# EAGLE board working (EAGLE 9.6.2), part 4 of 28
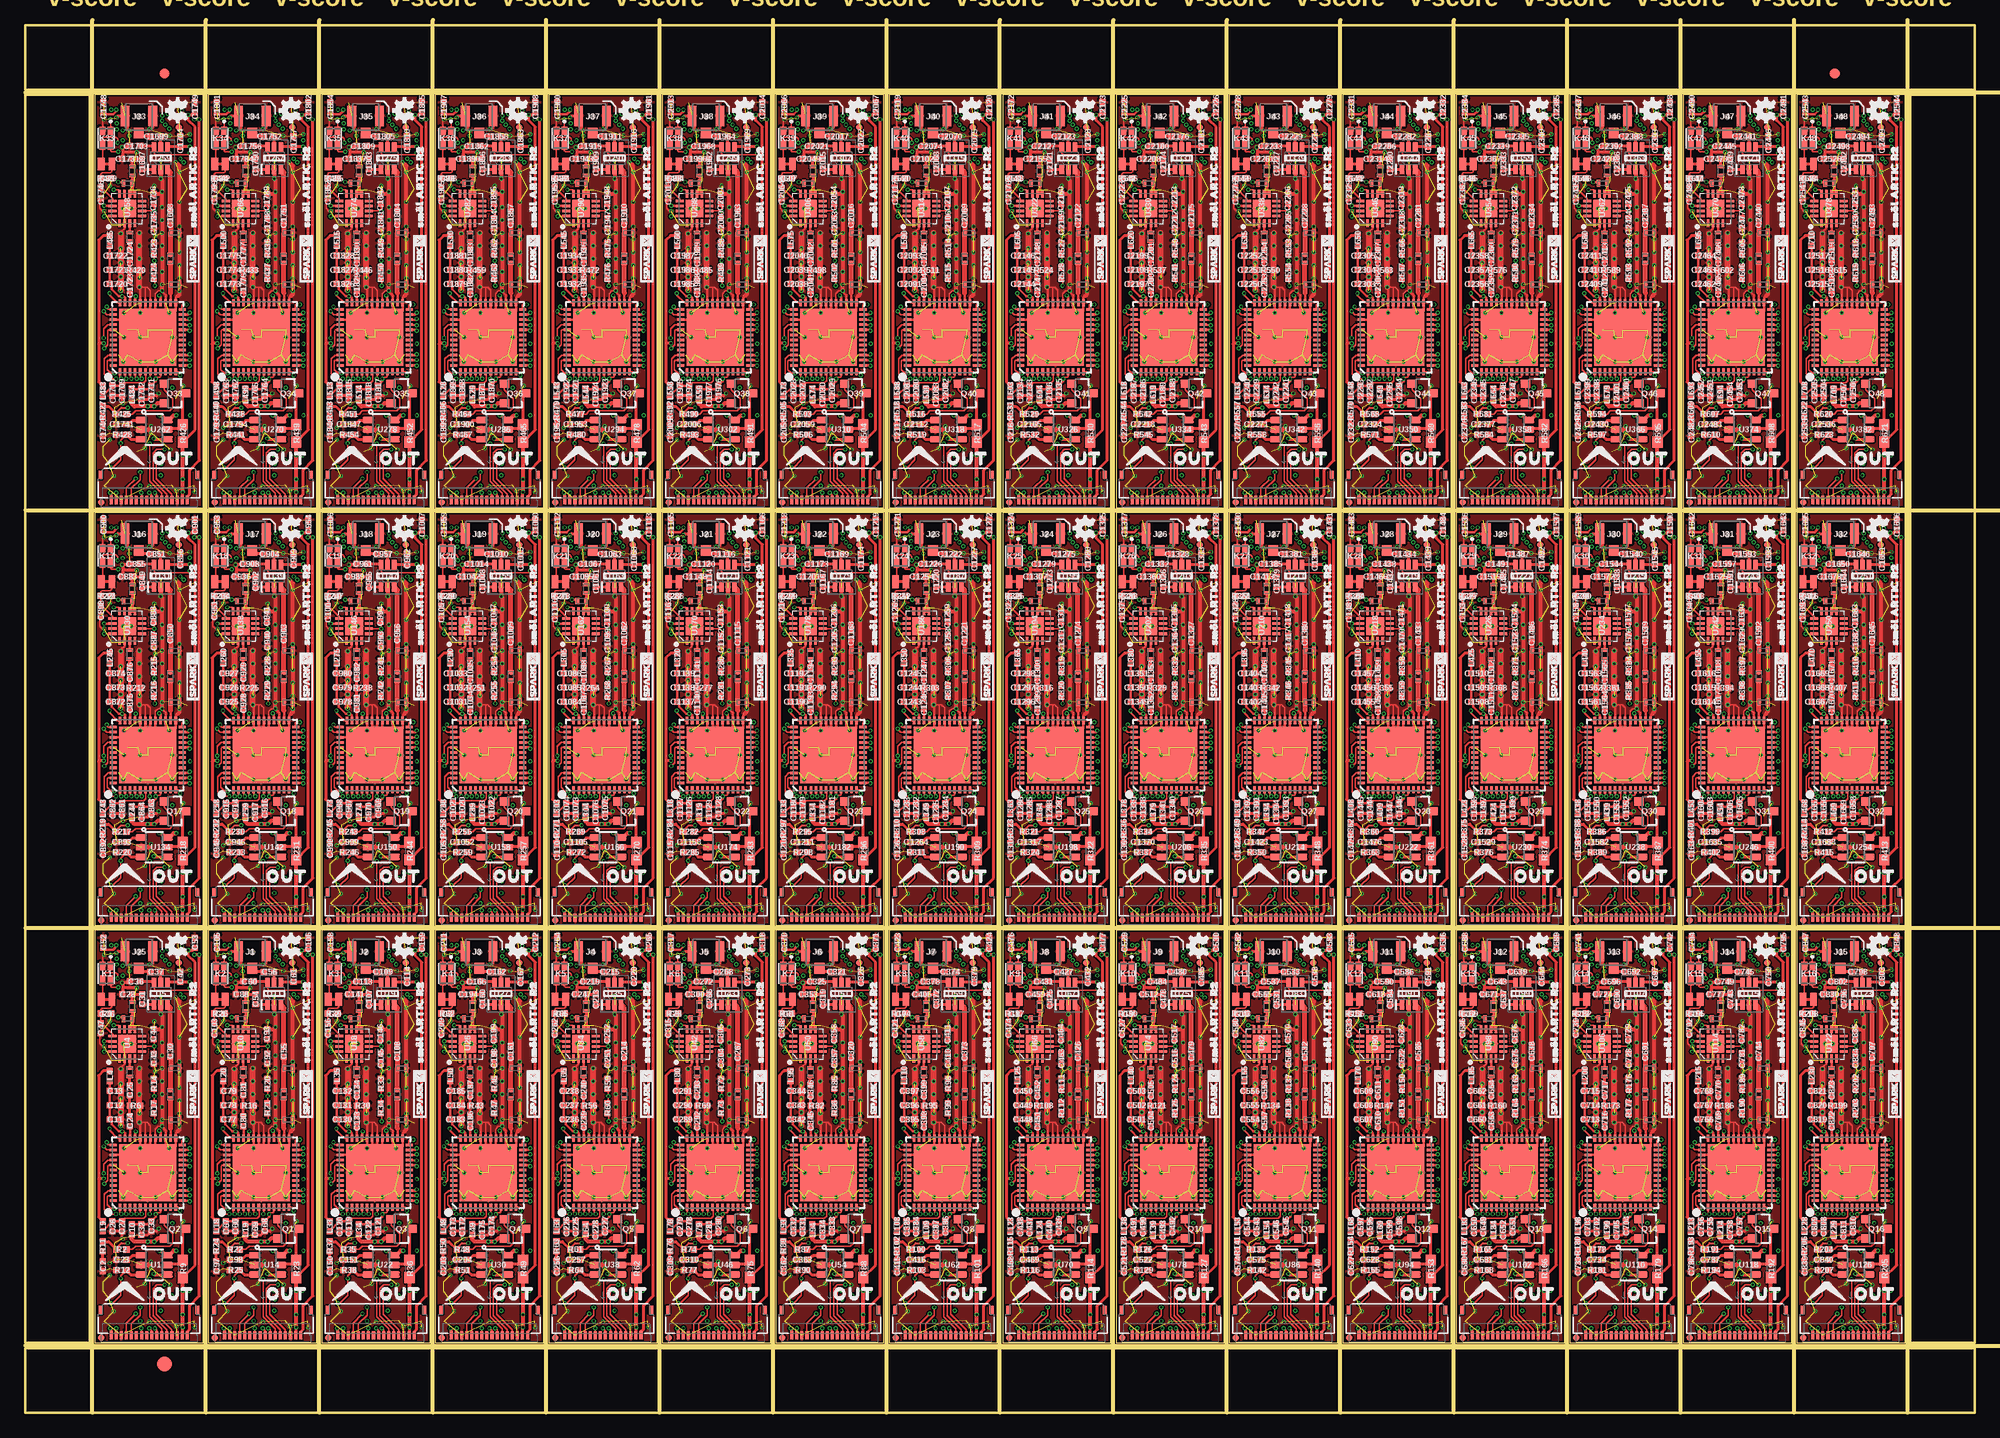
[diagram p0: board, top side]
## Placement (x,y rotation side) (continued)
FLSH_CEN20  TEST-POINT3  [PAD.03X.03]  61.59,65.79 0 bottom
FLSH_CEN21  TEST-POINT3  [PAD.03X.03]  72.77,65.79 0 bottom
FLSH_CEN22  TEST-POINT3  [PAD.03X.03]  83.95,65.79 0 bottom
FLSH_CEN23  TEST-POINT3  [PAD.03X.03]  95.12,65.79 0 bottom
FLSH_CEN24  TEST-POINT3  [PAD.03X.03]  106.3,65.79 0 bottom
FLSH_CEN25  TEST-POINT3  [PAD.03X.03]  117.48,65.79 0 bottom
FLSH_CEN26  TEST-POINT3  [PAD.03X.03]  128.65,65.79 0 bottom
FLSH_CEN27  TEST-POINT3  [PAD.03X.03]  139.83,65.79 0 bottom
FLSH_CEN28  TEST-POINT3  [PAD.03X.03]  151,65.79 0 bottom
FLSH_CEN29  TEST-POINT3  [PAD.03X.03]  162.18,65.79 0 bottom
FLSH_CEN30  TEST-POINT3  [PAD.03X.03]  173.36,65.79 0 bottom
FLSH_CEN31  TEST-POINT3  [PAD.03X.03]  184.53,65.79 0 bottom
FLSH_CEN32  TEST-POINT3  [PAD.03X.03]  16.89,106.93 0 bottom
FLSH_CEN33  TEST-POINT3  [PAD.03X.03]  28.07,106.93 0 bottom
FLSH_CEN34  TEST-POINT3  [PAD.03X.03]  39.24,106.93 0 bottom
FLSH_CEN35  TEST-POINT3  [PAD.03X.03]  50.42,106.93 0 bottom
FLSH_CEN36  TEST-POINT3  [PAD.03X.03]  61.59,106.93 0 bottom
FLSH_CEN37  TEST-POINT3  [PAD.03X.03]  72.77,106.93 0 bottom
FLSH_CEN38  TEST-POINT3  [PAD.03X.03]  83.95,106.93 0 bottom
FLSH_CEN39  TEST-POINT3  [PAD.03X.03]  95.12,106.93 0 bottom
FLSH_CEN40  TEST-POINT3  [PAD.03X.03]  106.3,106.93 0 bottom
FLSH_CEN41  TEST-POINT3  [PAD.03X.03]  117.48,106.93 0 bottom
FLSH_CEN42  TEST-POINT3  [PAD.03X.03]  128.65,106.93 0 bottom
FLSH_CEN43  TEST-POINT3  [PAD.03X.03]  139.83,106.93 0 bottom
FLSH_CEN44  TEST-POINT3  [PAD.03X.03]  151,106.93 0 bottom
FLSH_CEN45  TEST-POINT3  [PAD.03X.03]  162.18,106.93 0 bottom
FLSH_CEN46  TEST-POINT3  [PAD.03X.03]  173.36,106.93 0 bottom
FLSH_CEN47  TEST-POINT3  [PAD.03X.03]  184.53,106.93 0 bottom
FLSH_SCLK  TEST-POINT3  [PAD.03X.03]  16.89,11.94 0 bottom
FLSH_SCLK1  TEST-POINT3  [PAD.03X.03]  28.07,11.94 0 bottom
FLSH_SCLK2  TEST-POINT3  [PAD.03X.03]  39.24,11.94 0 bottom
FLSH_SCLK3  TEST-POINT3  [PAD.03X.03]  50.42,11.94 0 bottom
FLSH_SCLK4  TEST-POINT3  [PAD.03X.03]  61.59,11.94 0 bottom
FLSH_SCLK5  TEST-POINT3  [PAD.03X.03]  72.77,11.94 0 bottom
FLSH_SCLK6  TEST-POINT3  [PAD.03X.03]  83.95,11.94 0 bottom
FLSH_SCLK7  TEST-POINT3  [PAD.03X.03]  95.12,11.94 0 bottom
FLSH_SCLK8  TEST-POINT3  [PAD.03X.03]  106.3,11.94 0 bottom
FLSH_SCLK9  TEST-POINT3  [PAD.03X.03]  117.48,11.94 0 bottom
FLSH_SCLK10  TEST-POINT3  [PAD.03X.03]  128.65,11.94 0 bottom
FLSH_SCLK11  TEST-POINT3  [PAD.03X.03]  139.83,11.94 0 bottom
FLSH_SCLK12  TEST-POINT3  [PAD.03X.03]  151,11.94 0 bottom
FLSH_SCLK13  TEST-POINT3  [PAD.03X.03]  162.18,11.94 0 bottom
FLSH_SCLK14  TEST-POINT3  [PAD.03X.03]  173.36,11.94 0 bottom
FLSH_SCLK15  TEST-POINT3  [PAD.03X.03]  184.53,11.94 0 bottom
FLSH_SCLK16  TEST-POINT3  [PAD.03X.03]  16.89,53.09 0 bottom
FLSH_SCLK17  TEST-POINT3  [PAD.03X.03]  28.07,53.09 0 bottom
FLSH_SCLK18  TEST-POINT3  [PAD.03X.03]  39.24,53.09 0 bottom
FLSH_SCLK19  TEST-POINT3  [PAD.03X.03]  50.42,53.09 0 bottom
FLSH_SCLK20  TEST-POINT3  [PAD.03X.03]  61.59,53.09 0 bottom
FLSH_SCLK21  TEST-POINT3  [PAD.03X.03]  72.77,53.09 0 bottom
FLSH_SCLK22  TEST-POINT3  [PAD.03X.03]  83.95,53.09 0 bottom
FLSH_SCLK23  TEST-POINT3  [PAD.03X.03]  95.12,53.09 0 bottom
FLSH_SCLK24  TEST-POINT3  [PAD.03X.03]  106.3,53.09 0 bottom
FLSH_SCLK25  TEST-POINT3  [PAD.03X.03]  117.48,53.09 0 bottom
FLSH_SCLK26  TEST-POINT3  [PAD.03X.03]  128.65,53.09 0 bottom
FLSH_SCLK27  TEST-POINT3  [PAD.03X.03]  139.83,53.09 0 bottom
FLSH_SCLK28  TEST-POINT3  [PAD.03X.03]  151,53.09 0 bottom
FLSH_SCLK29  TEST-POINT3  [PAD.03X.03]  162.18,53.09 0 bottom
FLSH_SCLK30  TEST-POINT3  [PAD.03X.03]  173.36,53.09 0 bottom
FLSH_SCLK31  TEST-POINT3  [PAD.03X.03]  184.53,53.09 0 bottom
FLSH_SCLK32  TEST-POINT3  [PAD.03X.03]  16.89,94.23 0 bottom
FLSH_SCLK33  TEST-POINT3  [PAD.03X.03]  28.07,94.23 0 bottom
FLSH_SCLK34  TEST-POINT3  [PAD.03X.03]  39.24,94.23 0 bottom
FLSH_SCLK35  TEST-POINT3  [PAD.03X.03]  50.42,94.23 0 bottom
FLSH_SCLK36  TEST-POINT3  [PAD.03X.03]  61.59,94.23 0 bottom
FLSH_SCLK37  TEST-POINT3  [PAD.03X.03]  72.77,94.23 0 bottom
FLSH_SCLK38  TEST-POINT3  [PAD.03X.03]  83.95,94.23 0 bottom
FLSH_SCLK39  TEST-POINT3  [PAD.03X.03]  95.12,94.23 0 bottom
FLSH_SCLK40  TEST-POINT3  [PAD.03X.03]  106.3,94.23 0 bottom
FLSH_SCLK41  TEST-POINT3  [PAD.03X.03]  117.48,94.23 0 bottom
FLSH_SCLK42  TEST-POINT3  [PAD.03X.03]  128.65,94.23 0 bottom
FLSH_SCLK43  TEST-POINT3  [PAD.03X.03]  139.83,94.23 0 bottom
FLSH_SCLK44  TEST-POINT3  [PAD.03X.03]  151,94.23 0 bottom
FLSH_SCLK45  TEST-POINT3  [PAD.03X.03]  162.18,94.23 0 bottom
FLSH_SCLK46  TEST-POINT3  [PAD.03X.03]  173.36,94.23 0 bottom
FLSH_SCLK47  TEST-POINT3  [PAD.03X.03]  184.53,94.23 0 bottom
FLSH_SI  TEST-POINT3  [PAD.03X.03]  16.89,14.48 0 bottom
FLSH_SI1  TEST-POINT3  [PAD.03X.03]  28.07,14.48 0 bottom
FLSH_SI2  TEST-POINT3  [PAD.03X.03]  39.24,14.48 0 bottom
FLSH_SI3  TEST-POINT3  [PAD.03X.03]  50.42,14.48 0 bottom
FLSH_SI4  TEST-POINT3  [PAD.03X.03]  61.59,14.48 0 bottom
FLSH_SI5  TEST-POINT3  [PAD.03X.03]  72.77,14.48 0 bottom
FLSH_SI6  TEST-POINT3  [PAD.03X.03]  83.95,14.48 0 bottom
FLSH_SI7  TEST-POINT3  [PAD.03X.03]  95.12,14.48 0 bottom
FLSH_SI8  TEST-POINT3  [PAD.03X.03]  106.3,14.48 0 bottom
FLSH_SI9  TEST-POINT3  [PAD.03X.03]  117.48,14.48 0 bottom
FLSH_SI10  TEST-POINT3  [PAD.03X.03]  128.65,14.48 0 bottom
FLSH_SI11  TEST-POINT3  [PAD.03X.03]  139.83,14.48 0 bottom
FLSH_SI12  TEST-POINT3  [PAD.03X.03]  151,14.48 0 bottom
FLSH_SI13  TEST-POINT3  [PAD.03X.03]  162.18,14.48 0 bottom
FLSH_SI14  TEST-POINT3  [PAD.03X.03]  173.36,14.48 0 bottom
FLSH_SI15  TEST-POINT3  [PAD.03X.03]  184.53,14.48 0 bottom
FLSH_SI16  TEST-POINT3  [PAD.03X.03]  16.89,55.63 0 bottom
FLSH_SI17  TEST-POINT3  [PAD.03X.03]  28.07,55.63 0 bottom
FLSH_SI18  TEST-POINT3  [PAD.03X.03]  39.24,55.63 0 bottom
FLSH_SI19  TEST-POINT3  [PAD.03X.03]  50.42,55.63 0 bottom
FLSH_SI20  TEST-POINT3  [PAD.03X.03]  61.59,55.63 0 bottom
FLSH_SI21  TEST-POINT3  [PAD.03X.03]  72.77,55.63 0 bottom
FLSH_SI22  TEST-POINT3  [PAD.03X.03]  83.95,55.63 0 bottom
FLSH_SI23  TEST-POINT3  [PAD.03X.03]  95.12,55.63 0 bottom
FLSH_SI24  TEST-POINT3  [PAD.03X.03]  106.3,55.63 0 bottom
FLSH_SI25  TEST-POINT3  [PAD.03X.03]  117.48,55.63 0 bottom
FLSH_SI26  TEST-POINT3  [PAD.03X.03]  128.65,55.63 0 bottom
FLSH_SI27  TEST-POINT3  [PAD.03X.03]  139.83,55.63 0 bottom
FLSH_SI28  TEST-POINT3  [PAD.03X.03]  151,55.63 0 bottom
FLSH_SI29  TEST-POINT3  [PAD.03X.03]  162.18,55.63 0 bottom
FLSH_SI30  TEST-POINT3  [PAD.03X.03]  173.36,55.63 0 bottom
FLSH_SI31  TEST-POINT3  [PAD.03X.03]  184.53,55.63 0 bottom
FLSH_SI32  TEST-POINT3  [PAD.03X.03]  16.89,96.77 0 bottom
FLSH_SI33  TEST-POINT3  [PAD.03X.03]  28.07,96.77 0 bottom
FLSH_SI34  TEST-POINT3  [PAD.03X.03]  39.24,96.77 0 bottom
FLSH_SI35  TEST-POINT3  [PAD.03X.03]  50.42,96.77 0 bottom
FLSH_SI36  TEST-POINT3  [PAD.03X.03]  61.59,96.77 0 bottom
FLSH_SI37  TEST-POINT3  [PAD.03X.03]  72.77,96.77 0 bottom
FLSH_SI38  TEST-POINT3  [PAD.03X.03]  83.95,96.77 0 bottom
FLSH_SI39  TEST-POINT3  [PAD.03X.03]  95.12,96.77 0 bottom
FLSH_SI40  TEST-POINT3  [PAD.03X.03]  106.3,96.77 0 bottom
FLSH_SI41  TEST-POINT3  [PAD.03X.03]  117.48,96.77 0 bottom
FLSH_SI42  TEST-POINT3  [PAD.03X.03]  128.65,96.77 0 bottom
FLSH_SI43  TEST-POINT3  [PAD.03X.03]  139.83,96.77 0 bottom
FLSH_SI44  TEST-POINT3  [PAD.03X.03]  151,96.77 0 bottom
FLSH_SI45  TEST-POINT3  [PAD.03X.03]  162.18,96.77 0 bottom
FLSH_SI46  TEST-POINT3  [PAD.03X.03]  173.36,96.77 0 bottom
FLSH_SI47  TEST-POINT3  [PAD.03X.03]  184.53,96.77 0 bottom
FLSH_SO  TEST-POINT3  [PAD.03X.03]  16.89,17.02 0 bottom
FLSH_SO1  TEST-POINT3  [PAD.03X.03]  28.07,17.02 0 bottom
FLSH_SO2  TEST-POINT3  [PAD.03X.03]  39.24,17.02 0 bottom
FLSH_SO3  TEST-POINT3  [PAD.03X.03]  50.42,17.02 0 bottom
FLSH_SO4  TEST-POINT3  [PAD.03X.03]  61.59,17.02 0 bottom
FLSH_SO5  TEST-POINT3  [PAD.03X.03]  72.77,17.02 0 bottom
FLSH_SO6  TEST-POINT3  [PAD.03X.03]  83.95,17.02 0 bottom
FLSH_SO7  TEST-POINT3  [PAD.03X.03]  95.12,17.02 0 bottom
FLSH_SO8  TEST-POINT3  [PAD.03X.03]  106.3,17.02 0 bottom
FLSH_SO9  TEST-POINT3  [PAD.03X.03]  117.48,17.02 0 bottom
FLSH_SO10  TEST-POINT3  [PAD.03X.03]  128.65,17.02 0 bottom
FLSH_SO11  TEST-POINT3  [PAD.03X.03]  139.83,17.02 0 bottom
FLSH_SO12  TEST-POINT3  [PAD.03X.03]  151,17.02 0 bottom
FLSH_SO13  TEST-POINT3  [PAD.03X.03]  162.18,17.02 0 bottom
FLSH_SO14  TEST-POINT3  [PAD.03X.03]  173.36,17.02 0 bottom
FLSH_SO15  TEST-POINT3  [PAD.03X.03]  184.53,17.02 0 bottom
FLSH_SO16  TEST-POINT3  [PAD.03X.03]  16.89,58.17 0 bottom
FLSH_SO17  TEST-POINT3  [PAD.03X.03]  28.07,58.17 0 bottom
FLSH_SO18  TEST-POINT3  [PAD.03X.03]  39.24,58.17 0 bottom
FLSH_SO19  TEST-POINT3  [PAD.03X.03]  50.42,58.17 0 bottom
FLSH_SO20  TEST-POINT3  [PAD.03X.03]  61.59,58.17 0 bottom
FLSH_SO21  TEST-POINT3  [PAD.03X.03]  72.77,58.17 0 bottom
FLSH_SO22  TEST-POINT3  [PAD.03X.03]  83.95,58.17 0 bottom
FLSH_SO23  TEST-POINT3  [PAD.03X.03]  95.12,58.17 0 bottom
FLSH_SO24  TEST-POINT3  [PAD.03X.03]  106.3,58.17 0 bottom
FLSH_SO25  TEST-POINT3  [PAD.03X.03]  117.48,58.17 0 bottom
FLSH_SO26  TEST-POINT3  [PAD.03X.03]  128.65,58.17 0 bottom
FLSH_SO27  TEST-POINT3  [PAD.03X.03]  139.83,58.17 0 bottom
FLSH_SO28  TEST-POINT3  [PAD.03X.03]  151,58.17 0 bottom
FLSH_SO29  TEST-POINT3  [PAD.03X.03]  162.18,58.17 0 bottom
FLSH_SO30  TEST-POINT3  [PAD.03X.03]  173.36,58.17 0 bottom
FLSH_SO31  TEST-POINT3  [PAD.03X.03]  184.53,58.17 0 bottom
FLSH_SO32  TEST-POINT3  [PAD.03X.03]  16.89,99.31 0 bottom
FLSH_SO33  TEST-POINT3  [PAD.03X.03]  28.07,99.31 0 bottom
FLSH_SO34  TEST-POINT3  [PAD.03X.03]  39.24,99.31 0 bottom
FLSH_SO35  TEST-POINT3  [PAD.03X.03]  50.42,99.31 0 bottom
FLSH_SO36  TEST-POINT3  [PAD.03X.03]  61.59,99.31 0 bottom
FLSH_SO37  TEST-POINT3  [PAD.03X.03]  72.77,99.31 0 bottom
FLSH_SO38  TEST-POINT3  [PAD.03X.03]  83.95,99.31 0 bottom
FLSH_SO39  TEST-POINT3  [PAD.03X.03]  95.12,99.31 0 bottom
FLSH_SO40  TEST-POINT3  [PAD.03X.03]  106.3,99.31 0 bottom
FLSH_SO41  TEST-POINT3  [PAD.03X.03]  117.48,99.31 0 bottom
FLSH_SO42  TEST-POINT3  [PAD.03X.03]  128.65,99.31 0 bottom
FLSH_SO43  TEST-POINT3  [PAD.03X.03]  139.83,99.31 0 bottom
FLSH_SO44  TEST-POINT3  [PAD.03X.03]  151,99.31 0 bottom
FLSH_SO45  TEST-POINT3  [PAD.03X.03]  162.18,99.31 0 bottom
FLSH_SO46  TEST-POINT3  [PAD.03X.03]  173.36,99.31 0 bottom
FLSH_SO47  TEST-POINT3  [PAD.03X.03]  184.53,99.31 0 bottom
G1  JUMPER-SMT_2_NC_TRACE_NO-SILK  [SMT-JUMPER_2_NC_TRACE_NO-SILK]  19.18,40.7 180 top
G2  JUMPER-SMT_2_NC_TRACE_NO-SILK  [SMT-JUMPER_2_NC_TRACE_NO-SILK]  30.35,40.7 180 top
G3  JUMPER-SMT_2_NC_TRACE_NO-SILK  [SMT-JUMPER_2_NC_TRACE_NO-SILK]  41.53,40.7 180 top
G4  JUMPER-SMT_2_NC_TRACE_NO-SILK  [SMT-JUMPER_2_NC_TRACE_NO-SILK]  52.7,40.7 180 top
G5  JUMPER-SMT_2_NC_TRACE_NO-SILK  [SMT-JUMPER_2_NC_TRACE_NO-SILK]  63.88,40.7 180 top
G6  JUMPER-SMT_2_NC_TRACE_NO-SILK  [SMT-JUMPER_2_NC_TRACE_NO-SILK]  75.06,40.7 180 top
G7  JUMPER-SMT_2_NC_TRACE_NO-SILK  [SMT-JUMPER_2_NC_TRACE_NO-SILK]  86.23,40.7 180 top
G8  JUMPER-SMT_2_NC_TRACE_NO-SILK  [SMT-JUMPER_2_NC_TRACE_NO-SILK]  97.41,40.7 180 top
G9  JUMPER-SMT_2_NC_TRACE_NO-SILK  [SMT-JUMPER_2_NC_TRACE_NO-SILK]  108.59,40.7 180 top
G10  JUMPER-SMT_2_NC_TRACE_NO-SILK  [SMT-JUMPER_2_NC_TRACE_NO-SILK]  119.76,40.7 180 top
G11  JUMPER-SMT_2_NC_TRACE_NO-SILK  [SMT-JUMPER_2_NC_TRACE_NO-SILK]  130.94,40.7 180 top
G12  JUMPER-SMT_2_NC_TRACE_NO-SILK  [SMT-JUMPER_2_NC_TRACE_NO-SILK]  142.11,40.7 180 top
G13  JUMPER-SMT_2_NC_TRACE_NO-SILK  [SMT-JUMPER_2_NC_TRACE_NO-SILK]  153.29,40.7 180 top
G14  JUMPER-SMT_2_NC_TRACE_NO-SILK  [SMT-JUMPER_2_NC_TRACE_NO-SILK]  164.47,40.7 180 top
G15  JUMPER-SMT_2_NC_TRACE_NO-SILK  [SMT-JUMPER_2_NC_TRACE_NO-SILK]  175.64,40.7 180 top
G16  JUMPER-SMT_2_NC_TRACE_NO-SILK  [SMT-JUMPER_2_NC_TRACE_NO-SILK]  8,40.7 180 top
G17  JUMPER-SMT_2_NC_TRACE_NO-SILK  [SMT-JUMPER_2_NC_TRACE_NO-SILK]  8,81.85 180 top
G18  JUMPER-SMT_2_NC_TRACE_NO-SILK  [SMT-JUMPER_2_NC_TRACE_NO-SILK]  19.18,81.85 180 top
G19  JUMPER-SMT_2_NC_TRACE_NO-SILK  [SMT-JUMPER_2_NC_TRACE_NO-SILK]  30.35,81.85 180 top
G20  JUMPER-SMT_2_NC_TRACE_NO-SILK  [SMT-JUMPER_2_NC_TRACE_NO-SILK]  41.53,81.85 180 top
G21  JUMPER-SMT_2_NC_TRACE_NO-SILK  [SMT-JUMPER_2_NC_TRACE_NO-SILK]  52.7,81.85 180 top
G22  JUMPER-SMT_2_NC_TRACE_NO-SILK  [SMT-JUMPER_2_NC_TRACE_NO-SILK]  63.88,81.85 180 top
G23  JUMPER-SMT_2_NC_TRACE_NO-SILK  [SMT-JUMPER_2_NC_TRACE_NO-SILK]  75.06,81.85 180 top
G24  JUMPER-SMT_2_NC_TRACE_NO-SILK  [SMT-JUMPER_2_NC_TRACE_NO-SILK]  86.23,81.85 180 top
G25  JUMPER-SMT_2_NC_TRACE_NO-SILK  [SMT-JUMPER_2_NC_TRACE_NO-SILK]  97.41,81.85 180 top
G26  JUMPER-SMT_2_NC_TRACE_NO-SILK  [SMT-JUMPER_2_NC_TRACE_NO-SILK]  108.59,81.85 180 top
G27  JUMPER-SMT_2_NC_TRACE_NO-SILK  [SMT-JUMPER_2_NC_TRACE_NO-SILK]  119.76,81.85 180 top
G28  JUMPER-SMT_2_NC_TRACE_NO-SILK  [SMT-JUMPER_2_NC_TRACE_NO-SILK]  130.94,81.85 180 top
G29  JUMPER-SMT_2_NC_TRACE_NO-SILK  [SMT-JUMPER_2_NC_TRACE_NO-SILK]  142.11,81.85 180 top
G30  JUMPER-SMT_2_NC_TRACE_NO-SILK  [SMT-JUMPER_2_NC_TRACE_NO-SILK]  153.29,81.85 180 top
G31  JUMPER-SMT_2_NC_TRACE_NO-SILK  [SMT-JUMPER_2_NC_TRACE_NO-SILK]  164.47,81.85 180 top
G32  JUMPER-SMT_2_NC_TRACE_NO-SILK  [SMT-JUMPER_2_NC_TRACE_NO-SILK]  175.64,81.85 180 top
G33  JUMPER-SMT_2_NC_TRACE_NO-SILK  [SMT-JUMPER_2_NC_TRACE_NO-SILK]  8,123 180 top
G34  JUMPER-SMT_2_NC_TRACE_NO-SILK  [SMT-JUMPER_2_NC_TRACE_NO-SILK]  19.18,123 180 top
G35  JUMPER-SMT_2_NC_TRACE_NO-SILK  [SMT-JUMPER_2_NC_TRACE_NO-SILK]  30.35,123 180 top
G36  JUMPER-SMT_2_NC_TRACE_NO-SILK  [SMT-JUMPER_2_NC_TRACE_NO-SILK]  41.53,123 180 top
G37  JUMPER-SMT_2_NC_TRACE_NO-SILK  [SMT-JUMPER_2_NC_TRACE_NO-SILK]  52.7,123 180 top
G38  JUMPER-SMT_2_NC_TRACE_NO-SILK  [SMT-JUMPER_2_NC_TRACE_NO-SILK]  63.88,123 180 top
G39  JUMPER-SMT_2_NC_TRACE_NO-SILK  [SMT-JUMPER_2_NC_TRACE_NO-SILK]  75.06,123 180 top
G40  JUMPER-SMT_2_NC_TRACE_NO-SILK  [SMT-JUMPER_2_NC_TRACE_NO-SILK]  86.23,123 180 top
G41  JUMPER-SMT_2_NC_TRACE_NO-SILK  [SMT-JUMPER_2_NC_TRACE_NO-SILK]  97.41,123 180 top
G42  JUMPER-SMT_2_NC_TRACE_NO-SILK  [SMT-JUMPER_2_NC_TRACE_NO-SILK]  108.59,123 180 top
G43  JUMPER-SMT_2_NC_TRACE_NO-SILK  [SMT-JUMPER_2_NC_TRACE_NO-SILK]  119.76,123 180 top
G44  JUMPER-SMT_2_NC_TRACE_NO-SILK  [SMT-JUMPER_2_NC_TRACE_NO-SILK]  130.94,123 180 top
G45  JUMPER-SMT_2_NC_TRACE_NO-SILK  [SMT-JUMPER_2_NC_TRACE_NO-SILK]  142.11,123 180 top
G46  JUMPER-SMT_2_NC_TRACE_NO-SILK  [SMT-JUMPER_2_NC_TRACE_NO-SILK]  153.29,123 180 top
G47  JUMPER-SMT_2_NC_TRACE_NO-SILK  [SMT-JUMPER_2_NC_TRACE_NO-SILK]  164.47,123 180 top
G48  JUMPER-SMT_2_NC_TRACE_NO-SILK  [SMT-JUMPER_2_NC_TRACE_NO-SILK]  175.64,123 180 top
GPIO0  TEST-POINT3  [PAD.03X.03]  7.49,10.67 0 bottom
GPIO1  TEST-POINT3  [PAD.03X.03]  18.67,10.67 0 bottom
GPIO2  TEST-POINT3  [PAD.03X.03]  29.84,10.67 0 bottom
GPIO3  TEST-POINT3  [PAD.03X.03]  41.02,10.67 0 bottom
GPIO4  TEST-POINT3  [PAD.03X.03]  52.2,10.67 0 bottom
GPIO5  TEST-POINT3  [PAD.03X.03]  63.37,10.67 0 bottom
GPIO6  TEST-POINT3  [PAD.03X.03]  74.55,10.67 0 bottom
GPIO7  TEST-POINT3  [PAD.03X.03]  85.73,10.67 0 bottom
GPIO8  TEST-POINT3  [PAD.03X.03]  96.9,10.67 0 bottom
GPIO9  TEST-POINT3  [PAD.03X.03]  108.08,10.67 0 bottom
GPIO10  TEST-POINT3  [PAD.03X.03]  119.25,10.67 0 bottom
GPIO11  TEST-POINT3  [PAD.03X.03]  130.43,10.67 0 bottom
GPIO12  TEST-POINT3  [PAD.03X.03]  141.61,10.67 0 bottom
GPIO13  TEST-POINT3  [PAD.03X.03]  152.78,10.67 0 bottom
GPIO14  TEST-POINT3  [PAD.03X.03]  163.96,10.67 0 bottom
GPIO15  TEST-POINT3  [PAD.03X.03]  175.13,10.67 0 bottom
GPIO16  TEST-POINT3  [PAD.03X.03]  7.49,51.82 0 bottom
GPIO17  TEST-POINT3  [PAD.03X.03]  18.67,51.82 0 bottom
GPIO18  TEST-POINT3  [PAD.03X.03]  29.84,51.82 0 bottom
GPIO19  TEST-POINT3  [PAD.03X.03]  41.02,51.82 0 bottom
GPIO20  TEST-POINT3  [PAD.03X.03]  52.2,51.82 0 bottom
GPIO21  TEST-POINT3  [PAD.03X.03]  63.37,51.82 0 bottom
GPIO22  TEST-POINT3  [PAD.03X.03]  74.55,51.82 0 bottom
GPIO23  TEST-POINT3  [PAD.03X.03]  85.73,51.82 0 bottom
GPIO24  TEST-POINT3  [PAD.03X.03]  96.9,51.82 0 bottom
GPIO25  TEST-POINT3  [PAD.03X.03]  108.08,51.82 0 bottom
GPIO26  TEST-POINT3  [PAD.03X.03]  119.25,51.82 0 bottom
GPIO27  TEST-POINT3  [PAD.03X.03]  130.43,51.82 0 bottom
GPIO28  TEST-POINT3  [PAD.03X.03]  141.61,51.82 0 bottom
GPIO29  TEST-POINT3  [PAD.03X.03]  152.78,51.82 0 bottom
GPIO30  TEST-POINT3  [PAD.03X.03]  163.96,51.82 0 bottom
GPIO31  TEST-POINT3  [PAD.03X.03]  175.13,51.82 0 bottom
GPIO32  TEST-POINT3  [PAD.03X.03]  7.49,92.96 0 bottom
GPIO33  TEST-POINT3  [PAD.03X.03]  18.67,92.96 0 bottom
GPIO34  TEST-POINT3  [PAD.03X.03]  29.84,92.96 0 bottom
GPIO35  TEST-POINT3  [PAD.03X.03]  41.02,92.96 0 bottom
GPIO36  TEST-POINT3  [PAD.03X.03]  52.2,92.96 0 bottom
GPIO37  TEST-POINT3  [PAD.03X.03]  63.37,92.96 0 bottom
GPIO38  TEST-POINT3  [PAD.03X.03]  74.55,92.96 0 bottom
GPIO39  TEST-POINT3  [PAD.03X.03]  85.73,92.96 0 bottom
GPIO40  TEST-POINT3  [PAD.03X.03]  96.9,92.96 0 bottom
GPIO41  TEST-POINT3  [PAD.03X.03]  108.08,92.96 0 bottom
GPIO42  TEST-POINT3  [PAD.03X.03]  119.25,92.96 0 bottom
GPIO43  TEST-POINT3  [PAD.03X.03]  130.43,92.96 0 bottom
GPIO44  TEST-POINT3  [PAD.03X.03]  141.61,92.96 0 bottom
GPIO45  TEST-POINT3  [PAD.03X.03]  152.78,92.96 0 bottom
GPIO46  TEST-POINT3  [PAD.03X.03]  163.96,92.96 0 bottom
GPIO47  TEST-POINT3  [PAD.03X.03]  175.13,92.96 0 bottom
IN  [FPC_16_0.5MM]  12.19,45.4 0 bottom
IN1  [FPC_16_0.5MM]  23.37,45.4 0 bottom
IN2  [FPC_16_0.5MM]  34.54,45.4 0 bottom
IN3  [FPC_16_0.5MM]  45.72,45.4 0 bottom
IN4  [FPC_16_0.5MM]  56.9,45.4 0 bottom
IN5  [FPC_16_0.5MM]  68.07,45.4 0 bottom
IN6  [FPC_16_0.5MM]  79.25,45.4 0 bottom
IN7  [FPC_16_0.5MM]  90.42,45.4 0 bottom
IN8  [FPC_16_0.5MM]  101.6,45.4 0 bottom
IN9  [FPC_16_0.5MM]  112.78,45.4 0 bottom
IN10  [FPC_16_0.5MM]  123.95,45.4 0 bottom
IN11  [FPC_16_0.5MM]  135.13,45.4 0 bottom
IN12  [FPC_16_0.5MM]  146.3,45.4 0 bottom
IN13  [FPC_16_0.5MM]  157.48,45.4 0 bottom
IN14  [FPC_16_0.5MM]  168.66,45.4 0 bottom
IN15  [FPC_16_0.5MM]  179.83,45.4 0 bottom
IN16  [FPC_16_0.5MM]  12.19,86.55 0 bottom
IN17  [FPC_16_0.5MM]  23.37,86.55 0 bottom
IN18  [FPC_16_0.5MM]  34.54,86.55 0 bottom
IN19  [FPC_16_0.5MM]  45.72,86.55 0 bottom
IN20  [FPC_16_0.5MM]  56.9,86.55 0 bottom
IN21  [FPC_16_0.5MM]  68.07,86.55 0 bottom
IN22  [FPC_16_0.5MM]  79.25,86.55 0 bottom
IN23  [FPC_16_0.5MM]  90.42,86.55 0 bottom
IN24  [FPC_16_0.5MM]  101.6,86.55 0 bottom
IN25  [FPC_16_0.5MM]  112.78,86.55 0 bottom
IN26  [FPC_16_0.5MM]  123.95,86.55 0 bottom
IN27  [FPC_16_0.5MM]  135.13,86.55 0 bottom
IN28  [FPC_16_0.5MM]  146.3,86.55 0 bottom
IN29  [FPC_16_0.5MM]  157.48,86.55 0 bottom
IN30  [FPC_16_0.5MM]  168.66,86.55 0 bottom
IN31  [FPC_16_0.5MM]  179.83,86.55 0 bottom
IN32  [FPC_16_0.5MM]  12.19,127.7 0 bottom
IN33  [FPC_16_0.5MM]  23.37,127.7 0 bottom
IN34  [FPC_16_0.5MM]  34.54,127.7 0 bottom
IN35  [FPC_16_0.5MM]  45.72,127.7 0 bottom
IN36  [FPC_16_0.5MM]  56.9,127.7 0 bottom
IN37  [FPC_16_0.5MM]  68.07,127.7 0 bottom
IN38  [FPC_16_0.5MM]  79.25,127.7 0 bottom
IN39  [FPC_16_0.5MM]  90.42,127.7 0 bottom
IN40  [FPC_16_0.5MM]  101.6,127.7 0 bottom
IN41  [FPC_16_0.5MM]  112.78,127.7 0 bottom
IN42  [FPC_16_0.5MM]  123.95,127.7 0 bottom
IN43  [FPC_16_0.5MM]  135.13,127.7 0 bottom
IN44  [FPC_16_0.5MM]  146.3,127.7 0 bottom
IN45  [FPC_16_0.5MM]  157.48,127.7 0 bottom
IN46  [FPC_16_0.5MM]  168.66,127.7 0 bottom
IN47  [FPC_16_0.5MM]  179.83,127.7 0 bottom
J1  U.FL  [U.FL_REDUCED_FOOTPRINT]  22.35,45.34 270 top
J2  U.FL  [U.FL_REDUCED_FOOTPRINT]  33.53,45.34 270 top
J3  U.FL  [U.FL_REDUCED_FOOTPRINT]  44.7,45.34 270 top
J4  U.FL  [U.FL_REDUCED_FOOTPRINT]  55.88,45.34 270 top
J5  U.FL  [U.FL_REDUCED_FOOTPRINT]  67.06,45.34 270 top
J6  U.FL  [U.FL_REDUCED_FOOTPRINT]  78.23,45.34 270 top
J7  U.FL  [U.FL_REDUCED_FOOTPRINT]  89.41,45.34 270 top
J8  U.FL  [U.FL_REDUCED_FOOTPRINT]  100.58,45.34 270 top
J9  U.FL  [U.FL_REDUCED_FOOTPRINT]  111.76,45.34 270 top
J10  U.FL  [U.FL_REDUCED_FOOTPRINT]  122.94,45.34 270 top
J11  U.FL  [U.FL_REDUCED_FOOTPRINT]  134.11,45.34 270 top
J12  U.FL  [U.FL_REDUCED_FOOTPRINT]  145.29,45.34 270 top
J13  U.FL  [U.FL_REDUCED_FOOTPRINT]  156.46,45.34 270 top
J14  U.FL  [U.FL_REDUCED_FOOTPRINT]  167.64,45.34 270 top
J15  U.FL  [U.FL_REDUCED_FOOTPRINT]  178.82,45.34 270 top
J16  U.FL  [U.FL_REDUCED_FOOTPRINT]  11.18,86.49 270 top
J17  U.FL  [U.FL_REDUCED_FOOTPRINT]  22.35,86.49 270 top
J18  U.FL  [U.FL_REDUCED_FOOTPRINT]  33.53,86.49 270 top
J19  U.FL  [U.FL_REDUCED_FOOTPRINT]  44.7,86.49 270 top
J20  U.FL  [U.FL_REDUCED_FOOTPRINT]  55.88,86.49 270 top
J21  U.FL  [U.FL_REDUCED_FOOTPRINT]  67.06,86.49 270 top
J22  U.FL  [U.FL_REDUCED_FOOTPRINT]  78.23,86.49 270 top
J23  U.FL  [U.FL_REDUCED_FOOTPRINT]  89.41,86.49 270 top
J24  U.FL  [U.FL_REDUCED_FOOTPRINT]  100.58,86.49 270 top
J25  U.FL  [U.FL_REDUCED_FOOTPRINT]  11.18,45.34 270 top
J26  U.FL  [U.FL_REDUCED_FOOTPRINT]  111.76,86.49 270 top
J27  U.FL  [U.FL_REDUCED_FOOTPRINT]  122.94,86.49 270 top
J28  U.FL  [U.FL_REDUCED_FOOTPRINT]  134.11,86.49 270 top
J29  U.FL  [U.FL_REDUCED_FOOTPRINT]  145.29,86.49 270 top
J30  U.FL  [U.FL_REDUCED_FOOTPRINT]  156.46,86.49 270 top
J31  U.FL  [U.FL_REDUCED_FOOTPRINT]  167.64,86.49 270 top
J32  U.FL  [U.FL_REDUCED_FOOTPRINT]  178.82,86.49 270 top
J33  U.FL  [U.FL_REDUCED_FOOTPRINT]  11.18,127.64 270 top
J34  U.FL  [U.FL_REDUCED_FOOTPRINT]  22.35,127.64 270 top
J35  U.FL  [U.FL_REDUCED_FOOTPRINT]  33.53,127.64 270 top
J36  U.FL  [U.FL_REDUCED_FOOTPRINT]  44.7,127.64 270 top
J37  U.FL  [U.FL_REDUCED_FOOTPRINT]  55.88,127.64 270 top
J38  U.FL  [U.FL_REDUCED_FOOTPRINT]  67.06,127.64 270 top
J39  U.FL  [U.FL_REDUCED_FOOTPRINT]  78.23,127.64 270 top
J40  U.FL  [U.FL_REDUCED_FOOTPRINT]  89.41,127.64 270 top
J41  U.FL  [U.FL_REDUCED_FOOTPRINT]  100.58,127.64 270 top
J42  U.FL  [U.FL_REDUCED_FOOTPRINT]  111.76,127.64 270 top
J43  U.FL  [U.FL_REDUCED_FOOTPRINT]  122.94,127.64 270 top
J44  U.FL  [U.FL_REDUCED_FOOTPRINT]  134.11,127.64 270 top
J45  U.FL  [U.FL_REDUCED_FOOTPRINT]  145.29,127.64 270 top
J46  U.FL  [U.FL_REDUCED_FOOTPRINT]  156.46,127.64 270 top
J47  U.FL  [U.FL_REDUCED_FOOTPRINT]  167.64,127.64 270 top
J48  U.FL  [U.FL_REDUCED_FOOTPRINT]  178.82,127.64 270 top
K1  TLP3475SRHA  [TLP3475SRHA]  8,43.24 270 top
K2  TLP3475SRHA  [TLP3475SRHA]  19.18,43.24 270 top
K3  TLP3475SRHA  [TLP3475SRHA]  30.35,43.24 270 top
K4  TLP3475SRHA  [TLP3475SRHA]  41.53,43.24 270 top
K5  TLP3475SRHA  [TLP3475SRHA]  52.7,43.24 270 top
K6  TLP3475SRHA  [TLP3475SRHA]  63.88,43.24 270 top
K7  TLP3475SRHA  [TLP3475SRHA]  75.06,43.24 270 top
K8  TLP3475SRHA  [TLP3475SRHA]  86.23,43.24 270 top
K9  TLP3475SRHA  [TLP3475SRHA]  97.41,43.24 270 top
K10  TLP3475SRHA  [TLP3475SRHA]  108.59,43.24 270 top
K11  TLP3475SRHA  [TLP3475SRHA]  119.76,43.24 270 top
K12  TLP3475SRHA  [TLP3475SRHA]  130.94,43.24 270 top
K13  TLP3475SRHA  [TLP3475SRHA]  142.11,43.24 270 top
K14  TLP3475SRHA  [TLP3475SRHA]  153.29,43.24 270 top
K15  TLP3475SRHA  [TLP3475SRHA]  164.47,43.24 270 top
K16  TLP3475SRHA  [TLP3475SRHA]  175.64,43.24 270 top
K17  TLP3475SRHA  [TLP3475SRHA]  8,84.39 270 top
K18  TLP3475SRHA  [TLP3475SRHA]  19.18,84.39 270 top
K19  TLP3475SRHA  [TLP3475SRHA]  30.35,84.39 270 top
K20  TLP3475SRHA  [TLP3475SRHA]  41.53,84.39 270 top
K21  TLP3475SRHA  [TLP3475SRHA]  52.7,84.39 270 top
K22  TLP3475SRHA  [TLP3475SRHA]  63.88,84.39 270 top
K23  TLP3475SRHA  [TLP3475SRHA]  75.06,84.39 270 top
K24  TLP3475SRHA  [TLP3475SRHA]  86.23,84.39 270 top
K25  TLP3475SRHA  [TLP3475SRHA]  97.41,84.39 270 top
K26  TLP3475SRHA  [TLP3475SRHA]  108.59,84.39 270 top
K27  TLP3475SRHA  [TLP3475SRHA]  119.76,84.39 270 top
K28  TLP3475SRHA  [TLP3475SRHA]  130.94,84.39 270 top
K29  TLP3475SRHA  [TLP3475SRHA]  142.11,84.39 270 top
K30  TLP3475SRHA  [TLP3475SRHA]  153.29,84.39 270 top
K31  TLP3475SRHA  [TLP3475SRHA]  164.47,84.39 270 top
K32  TLP3475SRHA  [TLP3475SRHA]  175.64,84.39 270 top
K33  TLP3475SRHA  [TLP3475SRHA]  8,125.54 270 top
K34  TLP3475SRHA  [TLP3475SRHA]  19.18,125.54 270 top
K35  TLP3475SRHA  [TLP3475SRHA]  30.35,125.54 270 top
K36  TLP3475SRHA  [TLP3475SRHA]  41.53,125.54 270 top
K37  TLP3475SRHA  [TLP3475SRHA]  52.7,125.54 270 top
K38  TLP3475SRHA  [TLP3475SRHA]  63.88,125.54 270 top
K39  TLP3475SRHA  [TLP3475SRHA]  75.06,125.54 270 top
K40  TLP3475SRHA  [TLP3475SRHA]  86.23,125.54 270 top
K41  TLP3475SRHA  [TLP3475SRHA]  97.41,125.54 270 top
K42  TLP3475SRHA  [TLP3475SRHA]  108.59,125.54 270 top
K43  TLP3475SRHA  [TLP3475SRHA]  119.76,125.54 270 top
K44  TLP3475SRHA  [TLP3475SRHA]  130.94,125.54 270 top
K45  TLP3475SRHA  [TLP3475SRHA]  142.11,125.54 270 top
K46  TLP3475SRHA  [TLP3475SRHA]  153.29,125.54 270 top
K47  TLP3475SRHA  [TLP3475SRHA]  164.47,125.54 270 top
K48  TLP3475SRHA  [TLP3475SRHA]  175.64,125.54 270 top
L1  30Ω  [0402-TIGHT]  15.24,16.64 0 bottom
L2  30Ω  [0402-TIGHT]  11.05,22.42 270 bottom
L3  30Ω  [0402-TIGHT]  8.64,29.46 90 bottom
L4  30Ω  [0402-TIGHT]  8.32,33.15 90 top
L5  15nH  [0402_COILCRAFT]  8.51,37.02 270 bottom